# Altium PCB waffling80-MX-south.PcbDoc (part 3 of 3)
Units mm, origin at the board's own origin, x right, y up, seen from the top; angles counter-clockwise.
Board outline 343.71 x 126.52 mm, 2 copper layers (Component Side, Bottom Layer), stack 1.171 mm thick; 250 components, 145 nets, 1072 pads, 177 vias.
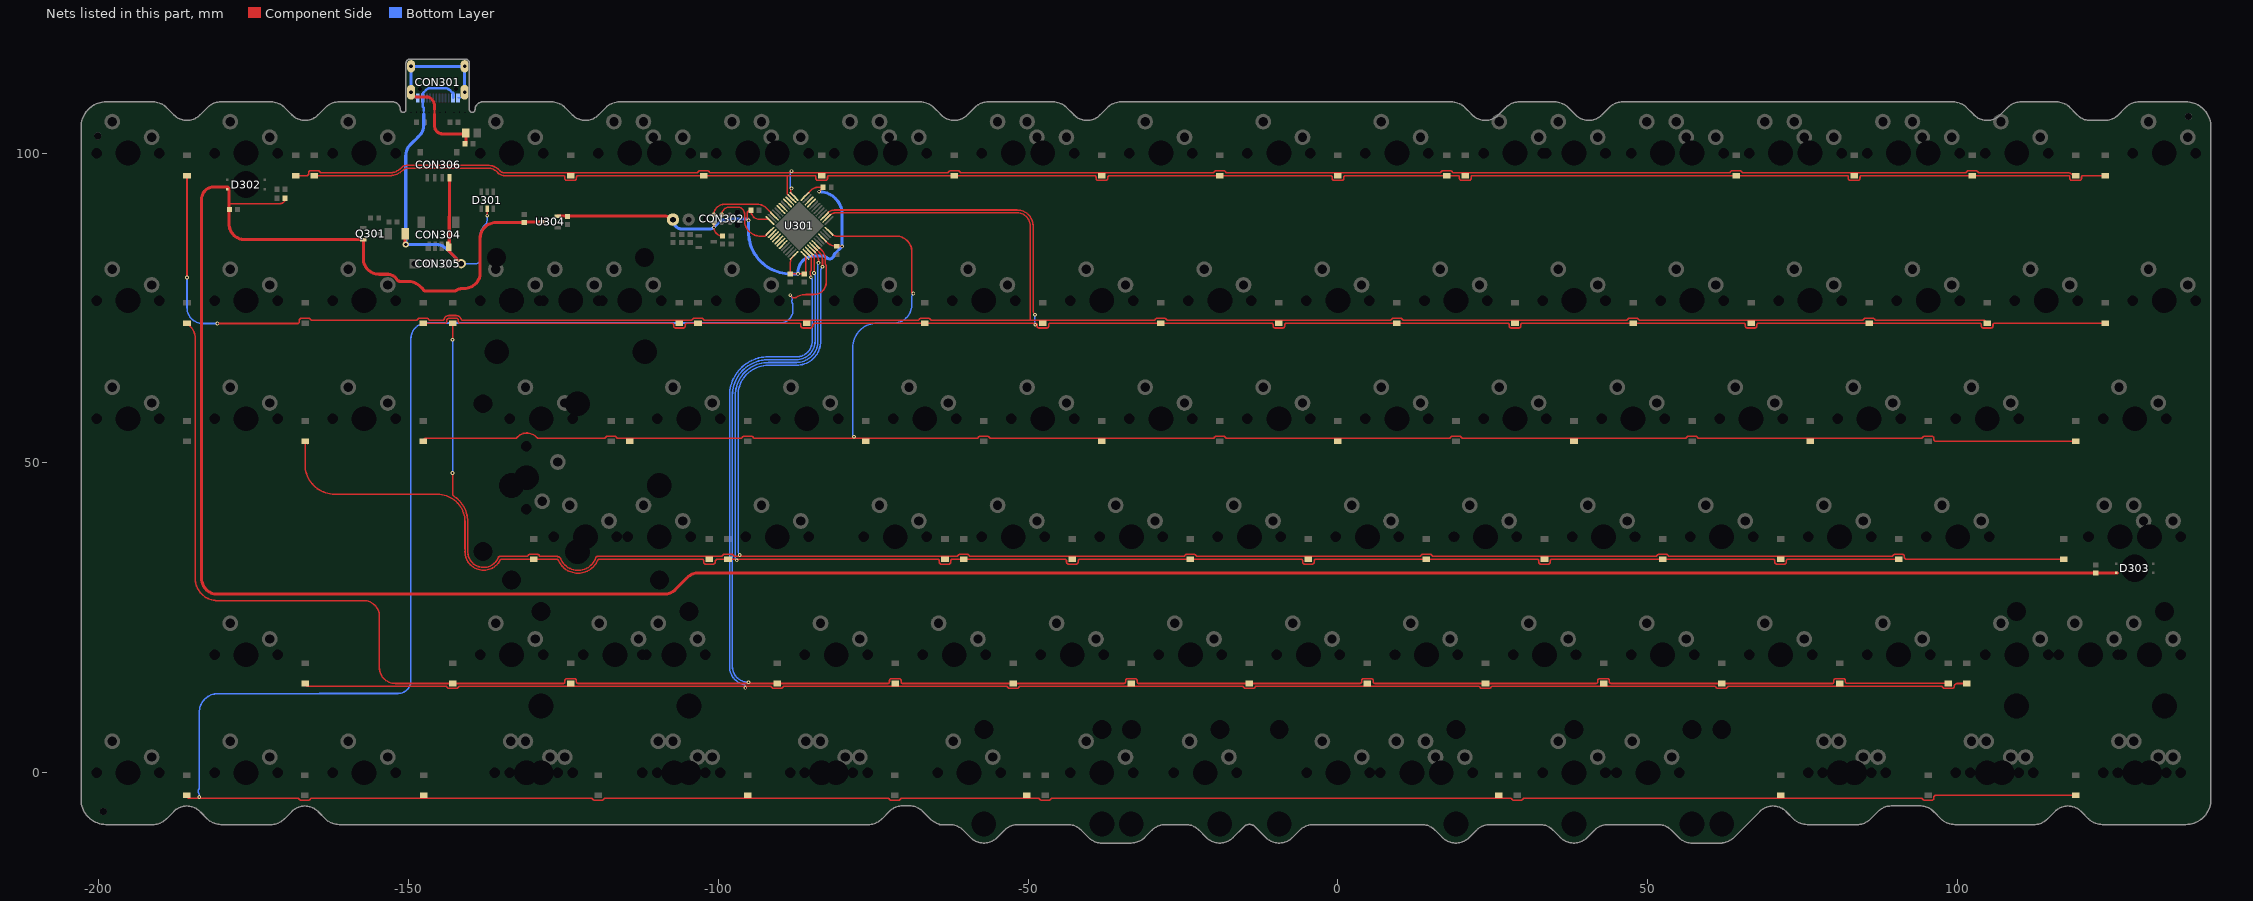
[diagram p3: the nets of this part, all layers, seen from the top]

## Via types
v1: diameter 0.6, hole 0.3, Component Side to Bottom Layer, tented both sides, 149 vias
v2: diameter 0.6, hole 0.3, Component Side to Bottom Layer, tented bottom, 25 vias
v3: diameter 1, hole 0.5, Component Side to Bottom Layer, tented both sides, 3 vias

## Nets (pads, with @x,y where several pads share a name; then routed paths per layer and width w, separated by ;. In a path a pad name is that pad's centre, name@x,y a point inside that pad or via, vN(x,y) a via of type N, cw(c..) or ccw(c..) an arc to the next point about the centre after c; other vN are vias at no path point) (continued)
PA2: D234.2 D236.2 D238.2 D240.2 D242.2 D244.2 D246.2 D248.2 U301.12 | length 321.3
  Component Side w0.254: D248.2@-147.637,53.515 cw(c-147.173,53.515) -147.173,53.979 -132.732,53.979 ccw(c-132.733,54.233) -132.538,54.071 cw(c-130.892,52.71) -129.238,54.061 ccw(c-129.042,54.223) -129.043,53.969 -118.432,53.969 ccw(c-118.434,54.223) -118.205,54.112 cw(c-117.911,53.97) -117.911,54.297 -116.69,54.297 cw(c-116.69,53.97) -116.396,54.112 ccw(c-116.167,54.223) -116.169,53.969 -109.021,53.969 ccw(c-109.021,54.223) -108.966,53.975 -99.441,53.975 cw(c-99.441,53.086) -99.349,53.97 ccw(c-99.324,54.223) -99.325,53.969 -96.382,53.969 ccw(c-96.384,54.223) -96.155,54.112 cw(c-95.861,53.97) -95.861,54.297 -94.64,54.297 cw(c-94.64,53.97) -94.346,54.112 ccw(c-94.117,54.223) -94.119,53.969 -58.282,53.969 ccw(c-58.284,54.223) -58.055,54.112 cw(c-57.761,53.97) -57.761,54.297 -56.54,54.297 cw(c-56.54,53.97) -56.246,54.112 ccw(c-56.017,54.223) -56.019,53.969 -20.182,53.969 ccw(c-20.184,54.223) -19.955,54.112 cw(c-19.661,53.97) -19.661,54.297 -18.44,54.297 cw(c-18.44,53.97) -18.146,54.111 ccw(c-17.917,54.223) -17.919,53.969 18.113,53.969 ; U301.12@-81.962,87.219 -81.701,86.958 ccw(c-80.868,87.791) -80.868,86.613 -71.301,86.613 cw(c-71.301,84.073) -68.761,84.073 -68.761,77.608 ccw(c-68.507,77.609) v1(-68.522,77.355) ; 18.112,53.97 cw(c18.439,53.97) 18.439,54.297 19.66,54.297 cw(c19.66,53.97) 19.954,54.112 ccw(c20.183,54.223) 20.181,53.969 56.018,53.969 ccw(c56.016,54.223) 56.245,54.112 cw(c56.539,53.97) 56.539,54.297 57.76,54.297 cw(c57.76,53.97) 58.054,54.112 ccw(c58.283,54.223) 58.281,53.969 94.118,53.969 ccw(c94.116,54.223) 94.345,54.112 cw(c94.639,53.97) 94.639,54.297 95.86,54.297 cw(c95.86,53.97) 96.154,54.111 cw(c95.86,53.97) 96.187,53.97 96.187,53.769 ccw(c96.441,53.769) 96.441,53.515 D234.2@119.062,53.515
  Bottom Layer w0.254: v1(-78.105,54.229) cw(c-77.668,54.666) -78.286,54.666 -78.286,68.671 cw(c-74.392,68.671) -74.392,72.565 -71.755,72.565 ccw(c-71.755,75.559) -68.831,74.916 ccw(c-71.755,75.559) -68.761,75.559 -68.761,76.778 cw(c-67.944,76.778) v1(-68.522,77.355)
PA4: D216.2 D218.2 D220.2 D222.2 D224.2 D226.2 D228.2 D230.2 U301.14 | length 366.1
  Component Side w0.254: v1(-185.737,79.947) D216.2@-185.737,96.377 ; v1(-180.838,72.507) -167.879,72.507 ccw(c-167.879,72.761) -167.625,72.761 -167.625,73.02 cw(c-167.298,73.02) -167.584,73.178 cw(c-167.298,73.02) -167.298,73.347 -166.077,73.347 cw(c-166.077,73.02) -165.783,73.162 ccw(c-165.554,73.273) -165.556,73.019 -163.907,73.019 ccw(c-163.907,73.273) -163.905,73.019 -148.829,73.019 cw(c-148.829,72.311) -148.785,73.018 ccw(c-148.771,73.271) -148.543,73.161 cw(c-148.248,73.02) -148.248,73.347 -147.637,73.347 -147.027,73.347 cw(c-147.027,73.02) -146.943,73.336 cw(c-147.027,73.02) -146.733,73.162 ccw(c-146.504,73.273) -146.506,73.019 -144.488,73.019 ccw(c-144.489,73.273) -144.243,73.21 cw(c-143.486,73.02) -143.486,73.801 -142.265,73.801 cw(c-142.265,73.02) -141.509,73.214 ccw(c-141.263,73.279) -141.265,73.025 -135.636,73.025 -135.636,73.019 -104.407,73.019 ccw(c-104.409,73.273) -104.18,73.162 cw(c-103.886,73.02) -103.886,73.347 -102.665,73.347 cw(c-102.665,73.02) -102.371,73.162 ccw(c-102.142,73.273) -102.144,73.019 -67.807,73.019 ccw(c-67.809,73.273) -67.58,73.162 cw(c-67.286,73.02) -67.286,73.347 -66.065,73.347 cw(c-66.065,73.02) -65.774,73.168 ccw(c-65.548,73.285) -65.549,73.031 -51.402,73.031 cw(c-51.402,72.777) -51.325,73.019 -49.657,73.019 ; U301.14@-82.316,89.658 -81.96,90.014 cw(c-81.101,89.155) -81.337,90.347 cw(c-81.122,89.364) -81.127,90.37 -54.255,90.37 -52.236,90.37 -51.743,90.37 cw(c-51.743,88.284) -49.657,88.284 -49.657,73.019 ; D218.2@104.774,72.565 104.321,73.019 86.856,73.019 cw(c86.858,73.273) 86.629,73.162 ccw(c86.335,73.02) 86.335,73.347 85.114,73.347 ccw(c85.114,73.02) 84.82,73.162 cw(c84.591,73.273) 84.593,73.019 48.756,73.019 cw(c48.758,73.273) 48.529,73.162 ccw(c48.235,73.02) 48.235,73.347 47.014,73.347 ccw(c47.014,73.02) 46.72,73.162 cw(c46.491,73.273) 46.493,73.019 10.656,73.019 cw(c10.658,73.273) 10.429,73.162 ccw(c10.135,73.02) 10.135,73.347 8.914,73.347 ccw(c8.914,73.02) 8.62,73.162 cw(c8.391,73.273) 8.393,73.019 -27.444,73.019 cw(c-27.442,73.273) -27.671,73.162 ccw(c-27.965,73.02) -27.965,73.347 -29.186,73.347 ccw(c-29.186,73.02) -29.48,73.162 cw(c-29.709,73.273) -29.707,73.019 -49.657,73.019
  Bottom Layer w0.254: v1(-185.737,79.947) -185.737,75.047 ccw(c-183.197,75.047) -183.197,72.507 v1(-180.838,72.507)
PA5: D217.2 D219.2 D221.2 D223.2 D225.2 D227.2 D229.2 D231.2 U301.15 | length 331.1
  Component Side w0.254: D231.2@-147.637,72.565 -144.067,72.565 ccw(c-144.067,72.819) -143.813,72.819 -143.813,73.02 cw(c-143.486,73.02) -143.486,73.347 -142.265,73.347 cw(c-142.265,73.02) -141.938,73.02 -141.938,72.819 ccw(c-141.684,72.819) -141.684,72.565 -107.467,72.565 cw(c-107.467,72.311) -107.213,72.311 -107.213,72.11 ccw(c-106.886,72.11) -106.886,71.783 -105.665,71.783 ccw(c-105.665,72.11) -105.338,72.11 -105.338,72.311 cw(c-105.084,72.311) -105.084,72.565 D229.2@-103.276,72.565 -86.917,72.565 cw(c-86.917,72.311) -86.663,72.311 -86.663,72.11 ccw(c-86.336,72.11) -86.336,71.783 -85.115,71.783 ccw(c-85.115,72.11) -84.795,72.044 ccw(c-85.115,72.11) -84.789,72.107 cw(c-84.331,72.107) -84.331,72.565 D227.2@-66.676,72.565 -48.817,72.565 cw(c-48.817,72.311) -48.563,72.311 -48.563,72.11 ccw(c-48.236,72.11) -48.236,71.783 -47.015,71.783 ccw(c-47.015,72.11) -46.688,72.11 -46.688,72.311 cw(c-46.434,72.311) -46.434,72.565 D225.2@-28.576,72.565 -10.717,72.565 cw(c-10.717,72.311) -10.463,72.311 -10.463,72.11 ccw(c-10.136,72.11) -10.136,71.783 -8.915,71.783 ccw(c-8.915,72.11) -8.596,72.042 ccw(c-8.915,72.11) -8.588,72.11 -8.588,72.311 cw(c-8.334,72.311) -8.334,72.565 D223.2@9.524,72.565 27.383,72.565 cw(c27.383,72.311) 27.637,72.311 27.637,72.11 ccw(c27.964,72.11) 27.964,71.783 29.185,71.783 ccw(c29.185,72.11) 29.512,72.11 29.512,72.311 cw(c29.766,72.311) 29.766,72.565 D221.2@47.624,72.565 65.483,72.565 cw(c65.483,72.311) 65.737,72.311 65.737,72.11 ccw(c66.064,72.11) 66.064,71.783 67.285,71.783 ccw(c67.285,72.11) 67.582,71.974 ccw(c67.285,72.11) 67.612,72.11 67.612,72.311 cw(c67.866,72.311) 67.866,72.565 D219.2@85.724,72.565 103.583,72.565 cw(c103.583,72.311) 103.837,72.311 103.837,72.11 ccw(c104.164,72.11) 104.164,71.783 105.385,71.783 ccw(c105.385,72.11) 105.619,71.882 ccw(c105.385,72.11) 105.712,72.11 105.712,72.311 cw(c105.966,72.311) 105.966,72.565 D217.2@123.824,72.565 ; U301.15@-82.669,90.012 -82.272,90.409 cw(c-81.271,89.409) -81.271,90.824 -51.743,90.824 cw(c-51.743,88.284) -49.203,88.284 -49.203,74.658 ccw(c-48.151,74.658) v1(-48.895,73.914)
  Bottom Layer w0.254: v1(-48.895,73.914) -48.895,72.411 ccw(c-48.766,72.411) v1(-48.857,72.32)
PA9: U301.30
PA10: U301.31
PA15: U301.38
PB3: U301.39
PB4: U301.40
PB5: U301.41
PB6: U301.42
PB7: U301.43
PB10: U301.21
PB11: U301.22
PB12: D203.2 D205.2 D207.2 D209.2 D211.2 D213.2 D215.2 D290.2 U301.25 | length 294.3
  Component Side w0.254: D215.2@-168.188,96.377 -166.379,96.377 ccw(c-166.379,96.631) -166.125,96.631 -166.125,96.832 cw(c-165.798,96.832) -165.798,97.159 -164.578,97.159 cw(c-164.578,96.832) -164.283,96.974 ccw(c-164.055,97.085) -164.056,96.831 -153.014,96.831 ccw(c-153.014,99.371) -151.218,97.575 -151.13,97.663 ; -151.13,97.663 cw(c-150.21,96.743) -150.21,98.044 -137.196,98.044 cw(c-137.196,95.504) -135.4,97.3 -135.255,97.155 ccw(c-134.473,97.937) -134.473,96.831 -103.494,96.831 ccw(c-103.495,97.085) -103.267,96.974 cw(c-102.972,96.832) -102.972,97.159 -101.752,97.159 cw(c-101.752,96.832) -101.457,96.974 ccw(c-101.229,97.085) -101.23,96.831 -63.045,96.831 ccw(c-63.047,97.085) -62.818,96.974 cw(c-62.524,96.832) -62.524,97.159 -61.303,97.159 cw(c-61.303,96.832) -61.009,96.974 ccw(c-60.78,97.085) -60.782,96.831 -20.182,96.831 ccw(c-20.184,97.085) -19.955,96.974 cw(c-19.661,96.832) -19.661,97.159 -18.44,97.159 cw(c-18.44,96.832) -18.146,96.974 ccw(c-17.917,97.085) -17.919,96.831 16.417,96.831 ccw(c16.416,97.085) 16.644,96.974 cw(c16.939,96.832) 16.939,97.159 18.159,97.159 cw(c18.159,96.832) 18.431,97.013 cw(c18.159,96.832) 18.454,96.974 ccw(c18.682,97.085) 18.681,96.831 63.13,96.831 ccw(c63.129,97.085) 63.357,96.974 cw(c63.652,96.832) 63.652,97.159 64.872,97.159 cw(c64.872,96.832) 65.167,96.974 ccw(c65.395,97.085) 65.394,96.831 101.23,96.831 ccw(c101.229,97.085) 101.457,96.974 cw(c101.752,96.832) 101.752,97.159 102.972,97.159 cw(c102.972,96.832) 103.267,96.974 ccw(c103.495,97.085) 103.494,96.831 117.871,96.831 cw(c117.871,96.123) 118.473,96.496 ccw(c118.688,96.631) 118.504,96.456 118.579,96.456 D290.2@119.062,96.377 ; v1(-88.192,94.317) -88.192,94.224 -88.335,94.081 -88.335,93.592 U301.25@-87.937,93.194
  Bottom Layer w0.254: v1@-88.392,94.438 -88.392,96.619 cw(c-87.711,96.619) v1(-88.192,97.101)
PB13: D201.2 D202.2 D204.2 D206.2 D208.2 D210.2 D212.2 D214.2 U301.26 | length 300.9
  Component Side w0.254: D214.2@-165.188,96.377 -153.014,96.377 ccw(c-153.014,99.371) -150.896,97.255 -150.811,97.34 cw(c-150.21,96.743) -150.21,97.59 -137.196,97.59 cw(c-137.196,95.504) -135.718,96.976 -135.579,96.837 ccw(c-134.473,97.937) -134.473,96.377 -125.017,96.377 cw(c-125.017,96.123) -124.763,96.123 -124.763,95.922 ccw(c-124.436,95.922) -124.436,95.595 -123.215,95.595 ccw(c-123.215,95.922) -122.932,95.759 ccw(c-123.215,95.922) -122.888,95.922 -122.888,96.123 cw(c-122.634,96.123) -122.634,96.377 D212.2@-102.362,96.377 -88.876,96.377 ; U301.26@-88.291,92.84 -88.291,92.853 -88.9,93.462 -88.9,96.353 -88.876,96.377 ; D201.2@123.824,96.377 120.254,96.377 ccw(c120.254,96.123) 120,96.123 120,95.922 cw(c119.673,95.922) 119.999,95.915 cw(c119.673,95.922) 119.673,95.595 118.452,95.595 cw(c118.452,95.922) 118.125,95.922 118.125,96.123 ccw(c117.871,96.123) 117.871,96.377 D202.2@102.362,96.377 84.378,96.377 ccw(c84.503,96.156) 84.249,96.156 84.249,95.922 cw(c83.922,95.922) 83.922,95.595 82.702,95.595 cw(c82.702,95.922) 82.375,95.922 82.375,96.123 ccw(c82.121,96.123) 82.121,96.377 D204.2@64.262,96.377 21.74,96.377 ccw(c21.74,96.123) 21.486,96.123 21.486,95.922 cw(c21.159,95.922) 21.159,95.595 19.939,95.595 cw(c19.939,95.922) 19.612,95.922 19.612,96.123 ccw(c19.358,96.123) 19.358,96.377 D206.2@17.549,96.377 1.529,96.377 ccw(c1.529,93.837) 1.153,96.349 ccw(c1.191,96.098) 0.937,96.099 0.937,95.922 cw(c0.61,95.922) 0.61,95.595 -0.611,95.595 cw(c-0.611,95.922) -0.938,95.922 -0.938,96.129 ccw(c-1.192,96.129) -1.134,96.377 D208.2@-19.051,96.377 -36.473,96.377 ccw(c-36.473,93.837) -36.792,96.357 ccw(c-36.473,93.837) -36.959,96.33 ccw(c-36.909,96.081) -37.163,96.082 -37.163,95.922 cw(c-37.49,95.922) -37.164,95.915 cw(c-37.49,95.922) -37.49,95.595 -38.711,95.595 cw(c-38.711,95.922) -39.038,95.922 -39.038,96.123 ccw(c-39.292,96.123) -39.292,96.377 D210.2@-61.914,96.377 -82.121,96.377 ccw(c-82.121,96.123) -82.375,96.123 -82.375,95.922 cw(c-82.702,95.922) -82.702,95.595 -83.922,95.595 cw(c-83.922,95.922) -84.249,95.922 -84.249,96.123 ccw(c-84.503,96.123) -84.503,96.377 -88.876,96.377
PB14: U301.27
PB15: U301.28
PC13: D265.2 D267.2 D269.2 D271.2 D273.2 D275.2 D277.2 D279.2 U301.2 | length 351.6
  Component Side w0.254: D279.2@-166.688,14.415 ccw(c-166.234,14.415) -166.604,14.153 ccw(c-166.234,14.415) -166.234,13.961 -144.007,13.961 cw(c-144.009,13.707) -143.78,13.818 ccw(c-143.486,13.96) -143.738,13.752 ccw(c-143.486,13.96) -143.486,13.633 -142.265,13.633 ccw(c-142.265,13.96) -141.986,13.79 cw(c-141.77,13.657) -141.95,13.836 -141.898,13.888 cw(c-141.719,13.708) -141.738,13.961 ; -141.737,13.961 -91.62,13.961 cw(c-91.621,13.707) -91.393,13.818 ccw(c-91.098,13.96) -91.098,13.633 -89.878,13.633 ccw(c-89.878,13.96) -89.583,13.819 cw(c-89.355,13.707) -89.356,13.961 -53.52,13.961 cw(c-53.521,13.707) -53.292,13.818 ccw(c-52.998,13.96) -52.998,13.633 -51.778,13.633 ccw(c-51.778,13.96) -51.483,13.818 cw(c-51.255,13.707) -51.256,13.961 -15.42,13.961 cw(c-15.421,13.707) -15.192,13.818 ccw(c-14.898,13.96) -14.898,13.633 -13.678,13.633 ccw(c-13.678,13.96) -13.383,13.819 cw(c-13.155,13.707) -13.156,13.961 22.68,13.961 cw(c22.679,13.707) 22.908,13.818 ccw(c23.202,13.96) 23.202,13.633 24.422,13.633 ccw(c24.422,13.96) 24.717,13.818 cw(c24.945,13.707) 24.944,13.961 60.78,13.961 cw(c60.779,13.707) 61.008,13.818 ccw(c61.302,13.96) 61.302,13.633 62.522,13.633 ccw(c62.522,13.96) 62.817,13.818 cw(c63.045,13.707) 63.044,13.961 97.383,13.961 cw(c97.381,13.707) 97.61,13.818 ccw(c97.904,13.96) 97.904,13.633 99.125,13.633 ccw(c99.125,13.96) 99.451,13.958 cw(c99.705,13.954) 99.452,13.969 cw(c99.705,13.954) 99.454,13.988 cw(c99.945,13.919) 99.945,14.415 D265.2@101.514,14.415 ; U301.2@-85.498,83.683 -85.481,83.666 -85.487,83.66 ccw(c-85.259,83.772) -85.44,83.593 -85.107,83.26 cw(c-85.444,82.923) -84.967,82.923 cw(c-85.444,82.923) -84.969,82.886 ccw(c-84.716,82.867) -84.967,82.834 -84.967,81.244 cw(c-85.221,81.245) -85.02,81.091 cw(c-85.221,81.245) -85.029,81.08 ccw(c-84.556,80.669) -85.182,80.669 ccw(c-84.556,80.669) -85.094,80.347 cw(c-85.313,80.218) -85.059,80.219 v1(-85.059,79.979)
  Bottom Layer w0.254: v1(-95.631,13.716) -95.631,13.991 ccw(c-95.885,13.975) -95.829,14.223 cw(c-95.177,17.145) -95.874,14.233 cw(c-95.177,17.145) -97.194,14.933 cw(c-95.177,17.145) -98.171,17.145 -98.171,60.911 cw(c-91.953,60.911) -97.36,63.981 cw(c-91.953,60.911) -96.242,65.413 ccw(c-96.418,65.596) -96.227,65.429 cw(c-95.883,65.132) -96.206,65.452 cw(c-95.704,64.952) -96.134,65.514 ccw(c-96.289,65.715) -96.12,65.526 cw(c-91.953,60.911) -95.217,66.204 ; -95.189,66.22 cw(c-91.953,60.911) -94.282,66.676 cw(c-91.953,60.911) -93.69,66.881 cw(c-91.953,60.911) -93.627,66.899 ccw(c-93.697,67.144) -93.606,66.906 -93.584,66.915 cw(c-93.325,66.256) -93.435,66.955 cw(c-93.363,66.507) -93.406,66.959 ccw(c-93.431,67.212) -93.375,66.964 cw(c-91.953,60.911) -92.361,67.116 ccw(c-92.379,67.369) -92.351,67.116 -92.287,67.124 cw(c-92.203,66.421) -92.205,67.129 ; -92.204,67.129 -87.377,67.129 ccw(c-87.377,69.669) -84.837,69.669 -84.837,79.442 ccw(c-85.595,79.442) v1(-85.059,79.979)
PC14: D233.2 D266.2 D268.2 D270.2 D272.2 D274.2 D276.2 D278.2 U301.3 | length 425
  Component Side w0.254: D233.2@-185.737,72.565 -185.163,71.99 cw(c-186.959,70.194) -184.419,70.194 -184.419,31.369 ccw(c-180.848,31.369) -180.848,27.798 -157.226,27.798 cw(c-157.226,25.258) -154.686,25.258 -154.686,16.955 ccw(c-152.146,16.955) -152.146,14.415 D278.2@-142.876,14.415 -125.017,14.415 ccw(c-125.017,14.669) -124.763,14.669 -124.763,14.87 cw(c-124.436,14.87) -124.436,15.197 -123.215,15.197 cw(c-123.215,14.87) -122.888,14.87 -122.888,14.669 ccw(c-122.634,14.669) -122.634,14.415 D276.2@-90.488,14.415 -72.629,14.415 ccw(c-72.629,14.669) -72.375,14.669 -72.375,14.87 cw(c-72.048,14.87) -72.048,15.197 -70.828,15.197 cw(c-70.828,14.87) -70.501,14.87 -70.501,14.669 ccw(c-70.247,14.669) -70.247,14.415 D274.2@-52.388,14.415 -34.529,14.415 ccw(c-34.529,14.669) -34.275,14.669 -34.275,14.87 cw(c-33.948,14.87) -33.948,15.197 -32.728,15.197 cw(c-32.728,14.87) -32.401,14.87 -32.401,14.669 ccw(c-32.147,14.669) -32.147,14.415 D272.2@-14.288,14.415 3.571,14.415 ccw(c3.571,14.669) 3.825,14.669 3.825,14.87 cw(c4.152,14.87) 3.825,14.873 cw(c4.152,14.87) 4.152,15.197 5.372,15.197 cw(c5.372,14.87) 5.699,14.87 5.699,14.669 ccw(c5.953,14.669) 5.953,14.415 D270.2@23.812,14.415 41.671,14.415 ccw(c41.671,14.669) 41.925,14.669 41.925,14.87 cw(c42.252,14.87) 42.252,15.197 43.472,15.197 cw(c43.472,14.87) 43.799,14.87 43.799,14.669 ccw(c44.053,14.669) 44.053,14.415 D268.2@61.912,14.415 79.771,14.415 ccw(c79.771,14.669) 80.025,14.669 80.025,14.87 cw(c80.352,14.87) 80.352,15.197 81.572,15.197 cw(c81.572,14.87) 81.899,14.87 81.899,14.699 ccw(c82.153,14.699) 82.153,14.445 98.031,14.445 D266.2@98.514,14.415 ; U301.3@-85.144,84.037 -84.816,83.709 cw(c-85.547,82.978) -84.727,83.608 cw(c-85.547,82.978) -84.513,82.978 -84.513,80.711 v1(-84.556,80.669)
  Bottom Layer w0.254: -96.015,65 cw(c-91.953,60.911) -95.998,65.017 ; -95.883,65.132 cw(c-95.704,64.952) -95.842,65.165 ; v1(-95.123,14.605) -95.177,14.605 cw(c-95.177,17.145) -97.717,17.145 -97.717,60.911 cw(c-91.953,60.911) -96.334,64.657 cw(c-91.953,60.911) -95.998,65.017 ; -93.364,66.507 ccw(c-93.325,66.256) -93.417,66.493 -93.461,66.476 cw(c-93.553,66.712) -93.485,66.468 ccw(c-91.953,60.911) -93.567,66.444 ccw(c-91.953,60.911) -93.858,66.351 ccw(c-91.953,60.911) -95.842,65.165 ; -93.363,66.507 ccw(c-93.364,66.761) -93.306,66.514 cw(c-91.953,60.911) -92.792,66.614 cw(c-91.953,60.911) -92.321,66.663 ccw(c-92.338,66.917) -92.309,66.664 -92.232,66.673 cw(c-92.203,66.421) -92.204,66.675 -87.377,66.675 ccw(c-87.377,69.669) -84.383,69.669 -84.383,77.936 ; v1(-84.556,80.669) cw(c-84.973,80.251) -84.383,80.251 -84.383,77.937 ; -95.998,65.018 cw(c-91.953,60.911) -95.842,65.165
PC15: D249.2 D252.2 D254.2 D256.2 D258.2 D260.2 D262.2 D296.2 U301.4 | length 343.6
  Component Side w0.254: D249.2@-166.283,53.111 -166.335,53.187 D249.2@-166.688,53.515 -166.688,49.742 ccw(c-161.903,49.742) -161.903,44.958 -145.328,44.958 cw(c-145.328,40.511) -140.881,40.511 -140.881,36.15 ccw(c-140.427,36.147) -140.871,36.057 cw(c-141.12,36.007) -140.868,35.982 ccw(c-137.877,35.692) -140.554,34.327 ; -140.042,33.608 cw(c-137.877,35.692) -140.554,34.327 ; -122.532,32.219 cw(c-122.637,35.692) -123.259,32.273 ; U301.4@-84.791,84.39 U301.4@-84.359,83.959 ; U301.4@-84.359,83.959 cw(c-85.662,82.657) -83.82,82.657 ; D252.2@90.487,34.465 72.628,34.465 ccw(c72.628,34.211) 72.374,34.211 72.374,34.01 cw(c72.047,34.01) 72.047,33.683 70.827,33.683 cw(c70.827,34.01) 70.5,34.01 70.5,34.211 ccw(c70.246,34.211) 70.246,34.465 D254.2@52.387,34.465 34.528,34.465 ccw(c34.528,34.211) 34.274,34.211 34.274,34.01 cw(c33.947,34.01) 33.947,33.683 32.727,33.683 cw(c32.727,34.01) 32.4,34.01 32.4,34.211 ccw(c32.146,34.211) 32.146,34.465 D256.2@14.287,34.465 -3.572,34.465 ccw(c-3.572,34.211) -3.826,34.211 -3.826,34.01 cw(c-4.153,34.01) -4.153,33.683 -5.373,33.683 cw(c-5.373,34.01) -5.7,34.01 -5.7,34.211 ccw(c-5.954,34.211) -5.954,34.465 D258.2@-23.813,34.465 -41.672,34.465 ccw(c-41.672,34.211) -41.926,34.211 -41.926,34.01 cw(c-42.253,34.01) -42.253,33.683 -43.473,33.683 cw(c-43.473,34.01) -43.8,34.01 -43.8,34.211 ccw(c-44.054,34.211) -44.054,34.465 D260.2@-60.413,34.465 -62.222,34.465 ccw(c-62.222,34.211) -62.476,34.211 -62.476,34.01 cw(c-62.803,34.01) -62.803,33.683 -64.023,33.683 cw(c-64.023,34.01) -64.35,34.01 -64.35,34.211 ccw(c-64.604,34.211) -64.604,34.465 -70.866,34.465 cw(c-70.866,34.919) -70.926,34.469 ccw(c-70.958,34.217) -70.957,34.471 -77.638,34.471 -77.638,34.465 D262.2@-98.431,34.465 -100.167,34.465 ccw(c-100.167,34.211) -100.346,34.391 -100.42,34.317 ccw(c-100.239,34.138) -100.493,34.138 -100.493,34.01 cw(c-100.82,34.01) -100.82,33.683 -102.041,33.683 cw(c-102.041,34.01) -102.368,34.01 -102.368,34.211 ccw(c-102.622,34.211) -102.622,34.465 -119.216,34.465 ccw(c-119.214,34.211) -119.447,34.313 cw(c-122.637,35.692) -121.994,32.277 cw(c-122.637,35.692) -123.259,32.273 ; -140.554,34.327 ccw(c-137.877,35.692) -135.199,34.328 cw(c-134.974,34.211) -135.194,34.338 cw(c-134.974,34.211) -134.975,34.465 D296.2@-129.789,34.465 -126.058,34.465 cw(c-126.059,34.211) -125.826,34.312 ccw(c-122.637,35.692) -125.519,33.751 ccw(c-122.637,35.692) -124.774,32.952 ccw(c-122.637,35.692) -123.259,32.273
  Bottom Layer w0.254: v1(-97.028,34.29) cw(c-96.461,34.857) -97.263,34.857 -97.263,60.911 cw(c-91.953,60.911) -96.233,64.054 cw(c-91.953,60.911) -95.339,65.002 cw(c-91.953,60.911) -91.953,66.221 -87.377,66.221 ccw(c-87.377,69.669) -84.348,68.021 ccw(c-87.377,69.669) -83.929,69.669 -83.929,80.962 ; -83.928,80.977 ccw(c-82.486,80.962) -83.929,80.962 ; v1(-83.82,82.296) -83.929,82.187 -83.929,80.962
PF0: D251.2 D253.2 D255.2 D257.2 D259.2 D261.2 D263.2 D264.2 U301.5 | length 361.6
  Component Side w0.254: v1(-142.882,69.889) -142.882,72.559 D264.2@-142.876,72.565 ; v1@-142.876,48.398 -142.876,44.957 ccw(c-142.622,44.957) -142.802,44.777 -142.638,44.613 ccw(c-142.459,44.794) -142.602,44.584 cw(c-145.328,40.511) -140.427,40.511 -140.427,36.17 ccw(c-140.173,36.171) -140.425,36.144 ccw(c-140.173,36.171) -140.423,36.129 cw(c-141.12,36.007) -140.415,35.942 ccw(c-137.877,35.692) -140.427,35.769 ccw(c-137.877,35.692) -140.427,35.765 ccw(c-137.877,35.692) -139,33.401 ; -138.998,33.401 ccw(c-137.877,35.692) -138.996,33.4 ccw(c-137.877,35.692) -137.986,33.143 ; -137.694,33.148 cw(c-137.877,35.692) -137.986,33.143 ; -125.411,34.495 ccw(c-126.059,34.211) -126.058,34.919 -128.657,34.919 cw(c-128.655,35.173) -128.884,35.061 ccw(c-129.178,34.92) -129.178,35.247 -130.399,35.247 ccw(c-130.399,34.92) -130.693,35.062 cw(c-130.922,35.173) -130.92,34.919 -135.248,34.919 ccw(c-135.248,34.593) -135.337,34.907 ccw(c-135.267,34.662) -135.503,34.757 cw(c-137.877,35.692) -135.549,34.649 cw(c-137.877,35.692) -135.575,34.593 cw(c-137.877,35.692) -137.325,33.201 cw(c-137.877,35.692) -137.986,33.143 ; -125.4,34.472 ccw(c-122.637,35.692) -119.768,34.746 cw(c-119.527,34.665) -119.528,34.919 -99.562,34.919 ccw(c-99.564,35.173) -99.335,35.062 cw(c-99.041,34.92) -99.041,35.247 -97.821,35.247 cw(c-97.821,34.92) -97.526,35.062 ccw(c-97.297,35.173) -97.299,34.919 -79.064,34.919 ccw(c-79.065,35.173) -79.033,34.921 cw(c-78.973,34.471) -78.973,34.925 -70.866,34.925 -70.866,34.919 -61.545,34.919 ccw(c-61.546,35.173) -61.318,35.062 cw(c-61.023,34.92) -61.163,35.216 cw(c-61.023,34.92) -61.023,35.247 -59.803,35.247 cw(c-59.803,34.92) -59.508,35.062 ccw(c-59.28,35.173) -59.281,34.919 -24.945,34.919 ccw(c-24.946,35.173) -24.718,35.062 cw(c-24.423,34.92) -24.423,35.247 -23.203,35.247 cw(c-23.203,34.92) -22.908,35.062 ccw(c-22.68,35.173) -22.681,34.919 13.155,34.919 ccw(c13.154,35.173) 13.382,35.062 cw(c13.677,34.92) 13.677,35.247 14.897,35.247 cw(c14.897,34.92) 15.192,35.061 ccw(c15.42,35.173) 15.419,34.919 51.255,34.919 ccw(c51.254,35.173) 51.482,35.062 cw(c51.777,34.92) 51.777,35.247 52.997,35.247 cw(c52.997,34.92) 53.292,35.062 ccw(c53.52,35.173) 53.519,34.919 89.355,34.919 ccw(c89.354,35.173) 89.582,35.062 cw(c89.877,34.92) 89.877,35.247 91.097,35.247 cw(c91.097,34.92) 91.424,34.92 91.424,34.758 ccw(c91.717,34.758) 91.717,34.465 D251.2@117.099,34.465 ; U301.5@-84.437,84.744 -83.667,83.974 ; -83.666,83.973 cw(c-84.829,82.811) -83.185,82.811 v1(-83.185,81.661)
  Bottom Layer w0.254: v1(-142.888,48.372) -142.885,48.375 -142.885,69.886 v1(-142.882,69.889) ; v1(-96.536,35.14) cw(c-95.875,35.8) -96.809,35.8 -96.809,60.911 cw(c-91.953,60.911) -91.953,65.767 -87.377,65.767 ccw(c-87.377,69.669) -84.056,67.62 ccw(c-87.377,69.669) -83.475,69.669 -83.475,80.962 cw(c-82.486,80.962) v1(-83.185,81.661)
PF1: D280.2 D282.2 D283.2 D285.2 D287.2 D289.2 D293.2 U301.6 | length 493.5
  Component Side w0.254: D289.2@-185.796,-3.635 ccw(c-185.342,-3.635) -185.342,-4.089 -167.877,-4.089 cw(c-167.879,-4.343) -167.65,-4.232 ccw(c-167.356,-4.09) -167.356,-4.417 -166.135,-4.417 ccw(c-166.135,-4.09) -165.841,-4.232 cw(c-165.612,-4.343) -165.614,-4.089 -146.665,-4.089 ccw(c-146.665,-3.835) -146.647,-4.088 -146.529,-4.08 cw(c-146.511,-4.334) -146.476,-4.082 ccw(c-146.377,-3.381) -146.377,-4.089 -120.506,-4.089 cw(c-120.508,-4.343) -120.279,-4.232 ccw(c-119.985,-4.09) -119.985,-4.417 -118.764,-4.417 ccw(c-118.764,-4.09) -118.47,-4.232 cw(c-118.241,-4.343) -118.243,-4.089 -72.627,-4.089 cw(c-72.629,-4.343) -72.4,-4.232 ccw(c-72.106,-4.09) -72.365,-4.289 ccw(c-72.106,-4.09) -72.106,-4.417 -70.885,-4.417 ccw(c-70.885,-4.09) -70.591,-4.232 cw(c-70.362,-4.343) -70.364,-4.089 -48.373,-4.089 cw(c-48.374,-4.343) -48.145,-4.232 ccw(c-47.851,-4.09) -47.851,-4.417 -46.631,-4.417 ccw(c-46.631,-4.09) -46.336,-4.232 cw(c-46.108,-4.343) -46.109,-4.089 27.824,-4.089 cw(c27.823,-4.343) 28.052,-4.232 ccw(c28.346,-4.09) 28.346,-4.417 29.566,-4.417 ccw(c29.566,-4.09) 29.861,-4.232 cw(c30.089,-4.343) 30.088,-4.089 94.118,-4.089 cw(c94.117,-4.343) 94.345,-4.232 ccw(c94.64,-4.09) 94.64,-4.417 95.86,-4.417 ccw(c95.86,-4.09) 96.173,-4.186 ccw(c95.86,-4.09) 96.187,-4.09 96.187,-3.889 cw(c96.441,-3.889) 96.441,-3.635 D280.2@119.062,-3.635 ; v1(-88.392,77.089) -88.012,76.709 ccw(c-87.833,76.89) -87.739,76.654 cw(c-87.503,76.073) -87.527,76.7 ccw(c-87.538,76.953) -87.399,76.741 cw(c-85.905,74.475) -85.905,77.189 -84.586,77.189 ccw(c-84.586,79.275) -83.26,77.665 ccw(c-84.955,79.359) -82.558,79.359 -82.558,81.246 -82.558,81.425 ccw(c-82.812,81.425) -82.558,81.439 -82.564,81.542 cw(c-82.31,81.556) -82.563,81.585 ccw(c-83.185,81.661) -82.558,81.661 ccw(c-83.185,81.661) -82.682,82.035 cw(c-82.477,82.185) -82.699,82.061 cw(c-82.477,82.185) -82.731,82.184 -82.731,83.022 ccw(c-84.47,83.022) -83.24,84.252 -84.083,85.095 U301.6@-84.083,85.097
  Bottom Layer w0.254: v1(-183.753,-3.887) -183.76,-3.881 -183.76,-3.509 ccw(c-184.014,-3.51) -183.809,-3.36 cw(c-183.306,-2.986) -183.809,-2.612 ccw(c-184.014,-2.462) -183.76,-2.463 -183.76,9.779 cw(c-180.766,9.779) -183.477,11.048 cw(c-180.766,9.779) -182.88,11.899 cw(c-180.766,9.779) -182.351,12.319 cw(c-180.766,9.779) -180.766,12.773 -164.719,12.773 ccw(c-164.719,14.859) -164.407,12.796 cw(c-164.341,12.347) -164.34,12.801 -151.692,12.801 ccw(c-151.692,14.887) -149.606,14.887 -149.606,70.05 cw(c-147.066,70.05) -147.066,72.59 -90.043,72.59 ccw(c-90.043,74.676) -89.072,72.83 ccw(c-90.043,74.676) -87.957,74.676 -87.957,75.55 ccw(c-88.211,75.549) -88.006,75.699 cw(c-87.503,76.073) -88.062,76.356 ccw(c-88.289,76.471) -88.051,76.559 ccw(c-89.442,76.039) v1(-88.392,77.089)
RAW: CON301.A4B9 CON301.B4A9 CON304.1 CON305.1 CON306.1 D301.5 F301.2 | length 71
  Component Side w0.203: v1(-137.287,89.916) D301.5@-137.287,91.03
  Component Side w0.5: F301.2@-150.542,86.995 -150.542,85.372 ccw(c-150.441,85.372) v3(-150.441,85.271) ; CON306.1@-143.361,96.05 -143.361,90.057 cw(c-143.861,90.058) -143.387,89.899 ccw(c-142.961,89.754) -143.411,89.754 -143.411,85.583 cw(c-144.265,85.583) CON304.1@-143.661,84.979 ccw(c-142.147,84.979) -143.218,83.909 CON305.1@-141.478,82.169
  Bottom Layer w0.254: -147.539,106.085 -147.539,106.843 ccw(c-147.285,106.844) -147.536,106.809 ccw(c-147.285,106.844) -147.518,106.744 ; CON305.1@-141.478,82.169 -139.082,82.169 ccw(c-139.082,82.821) -138.43,82.821 -138.43,86.578 cw(c-135.89,86.578) -138.372,87.119 cw(c-135.89,86.578) -137.686,88.374 ccw(c-138.649,89.337) -137.287,89.337 v1(-137.287,89.916)
  Bottom Layer w0.4: -147.539,106.843 -147.539,107.347 -147.638,107.446 cw(c-147.47,107.613) -147.707,107.613 CON301.A4B9@-147.707,108.92 -147.707,109.261 cw(c-146.516,109.261) -147.607,109.739 -147.557,109.789 -147.557,109.811 -147.213,110.155 cw(c-146.382,109.324) -146.382,110.499 -144.183,110.499 cw(c-144.183,109.201) -143.265,110.119 -142.885,109.739 -142.807,109.739 CON301.B4A9@-142.807,108.92
  Bottom Layer w0.5: -148.51,102.569 ccw(c-150.047,104.551) -147.539,104.551 -147.539,106.3 ; -148.28,102.771 -149.697,101.354 ccw(c-147.901,99.557) -150.441,99.557 v3(-150.441,85.271) -145.632,85.271 cw(c-145.632,82.731) -143.836,84.527 CON305.1@-141.478,82.169
SHIELD: C313.2 CON301.A1B12 CON301.B1A12 CON301.S1 L301.2 | length 35.8
  Component Side w0.254: -145.796,106.299 -145.796,107.061
  Component Side w0.5: CON301.S1@-149.577,109.835 ccw(c-148.834,109.835) -148.834,109.093 -147.193,109.093 cw(c-147.193,107.696) -145.796,107.696 -145.796,107.061 ; -145.796,106.299 -145.796,104.394 ccw(c-144.526,104.394) -144.526,103.124 L301.2@-140.977,103.124 ; C313.2@-140.903,101.378 -140.903,101.403 -140.747,101.559 L301.2@-140.747,103.097
  Bottom Layer w0.254: CON301.S1@-149.577,109.835 ccw(c-148.662,109.835) -148.662,108.92 CON301.A1B12@-148.507,108.92 ; CON301.B1A12@-142.007,108.92 -141.852,108.92 ccw(c-141.852,109.835) CON301.S1@-140.937,109.835
  Bottom Layer w0.5: CON301.S1@-149.577,109.835 CON301.S1@-149.577,114.015 CON301.S1@-140.937,114.015 CON301.S1@-140.937,109.835
SWCLK: CON302.4 U301.37 | length 11.7
  Component Side w0.254: CON302.4@-99.441,90.043 cw(c-98.189,90.043) -98.189,91.295 -96.883,91.295 cw(c-96.883,90.17) -95.758,90.17 -95.758,89.154 ccw(c-93.218,89.154) -93.633,86.648 ccw(c-93.218,89.154) -93.218,86.614 -92.443,86.614 -91.839,87.219 U301.37@-91.826,87.219
SWDIO: CON302.2 U301.34 | length 11.2
  Component Side w0.254: CON302.2@-100.711,90.043 cw(c-99.005,90.043) -100.709,90.133 cw(c-99.005,90.043) -99.095,91.747 cw(c-99.005,90.043) -99.005,91.749 -93.669,91.749 cw(c-93.669,89.787) -92.281,91.174 U301.34@-91.119,90.012
VCC: C307.2 C311.2 C312.2 D302.1 D303.1 Q301.2 R306.1 U304.3 | length 460.1
  Component Side w0.203: -178.963,91.842 -170.764,91.842 ccw(c-170.764,92.71) R306.1@-169.896,92.71
  Component Side w0.5: U304.3@-128.319,88.9 -131.225,88.9 ccw(c-131.225,88.806) C307.2@-131.319,88.806 -135.89,88.806 ccw(c-135.89,86.266) -138.43,86.266 -138.43,80.714 cw(c-140.97,80.714) -140.97,78.174 -141.113,78.174 ccw(c-141.113,75.835) -142.094,77.958 ccw(c-141.113,75.835) -142.341,77.826 cw(c-142.602,78.252) -142.601,77.752 -147.201,77.752 cw(c-147.199,78.252) -147.61,77.967 ccw(c-150.177,76.2) -147.848,78.271 ccw(c-150.177,76.2) -150.177,79.317 -151.413,79.317 cw(c-151.411,79.817) -151.848,79.573 ccw(c-153.352,78.74) -152.744,80.349 ccw(c-153.352,78.74) -153.44,80.458 -154.743,80.458 cw(c-154.743,82.998) -157.283,82.998 Q301.2@-157.283,86.045 -176.423,86.045 cw(c-176.423,88.585) -178.963,88.585 -178.963,91.842 -178.963,94.182 ccw(c-179.327,94.182) -179.327,94.546 -181.425,94.546 ccw(c-181.425,92.583) -181.969,94.469 ccw(c-181.425,92.583) -183.388,92.583 -183.388,31.369 ccw(c-180.848,31.369) -180.848,28.829 -108.736,28.829 ccw(c-108.736,31.369) -106.939,29.573 -104.986,31.526 cw(c-103.19,29.73) -103.19,32.27 123.523,32.27 123.698,32.243 cw(c123.725,32.243) 123.725,32.27 125.837,32.27
VCC3V3: C301.2 C302.2 C303.2 C304.2 C305.2 C308.2 CON302.1 CON303.2 R303.1 U301.1 U301.9 U301.24 U301.36 U301.48 U304.2 | length 91.8
  Component Side w0.203: v1(-95.131,89.154) cw(c-94.652,89.633) -95.264,89.343 cw(c-94.652,89.633) -95.329,89.633 -95.329,90.233 cw(c-94.757,90.233) -95.329,90.242 cw(c-94.757,90.233) C305.2@-94.757,90.805 ccw(c-93.257,90.805) -93.257,89.305 U301.36@-91.826,89.305
  Component Side w0.254: CON302.1@-100.711,88.773 v1(-100.711,88.026) ccw(c-99.314,88.026) R303.1@-99.314,86.629 ; U301.48@-87.937,83.33 ccw(c-86.839,82.231) -88.392,82.231 C301.2@-88.392,80.533 C303.2@-86.106,80.533 ccw(c-86.721,81.148) -85.851,81.148 U301.1@-85.851,83.33 ; U301.24@-85.851,93.194 -84.981,94.063 cw(c-83.956,93.038) -84.239,94.46 cw(c-83.956,93.038) -83.956,94.488 C308.2@-83.073,94.488 -83.073,94.463 -83.723,93.813 v1(-83.723,93.788) ; U301.9@-83.023,86.158 -82.571,85.707 ccw(c-80.775,87.503) C302.2@-80.775,84.963 ; C302.2@-80.899,84.978 -80.01,84.978 v1(-80.01,84.963)
  Component Side w0.5: U304.2@-125.919,89.85 -108.689,89.85 cw(c-108.689,87.907) CON303.2@-107.315,89.281 ; CON303.2@-107.315,88.773 cw(c-107.249,88.773) CON303.2@-107.249,88.839
  Bottom Layer w0.5: CON303.2@-107.315,89.281 ccw(c-105.791,89.281) -105.791,87.757 -101.36,87.757 ccw(c-101.36,88.675) -101.288,87.76 ccw(c-101.36,88.675) v1(-100.711,88.026) -100.073,88.664 cw(c-98.277,86.868) -98.277,89.408 -95.385,89.408 cw(c-95.385,89.154) v1(-95.131,89.154) ; v1@-95.131,89.108 -95.131,87.315 ccw(c-88.334,87.315) -88.334,80.518 v1(-87.122,80.518) -87.122,80.842 cw(c-84.582,80.842) -84.582,83.382 -82.992,83.382 cw(c-82.993,82.882) -82.687,83.278 cw(c-82.993,82.882) -82.614,83.207 ccw(c-82.042,83.693) -82.573,83.164 ccw(c-82.042,83.693) -82.571,83.162 ccw(c-82.042,83.693) -82.042,82.943 ccw(c-82.042,83.693) -81.513,83.162 ccw(c-82.042,83.693) -81.511,83.164 ccw(c-82.042,83.693) -81.304,83.558 cw(c-80.813,83.465) -81.168,83.817 -80.08,84.905 cw(c-79.727,84.551) v1(-80.01,84.963) -80.01,90.075 ccw(c-83.723,90.075) v1(-83.723,93.788)
pads on no net: CON301. CON301.A8 CON301.B8 CON302.0 CON302.6 D301.1 D301.6 D302. D303. D303.2 S201. S202. S202_1. S203. S203_1. S204. S204_1. S205. S205_1. S206. S207. S208. S209. S209_1. S210. S210_1. S211. S211_1. S212. S212_1. S213. S214. S215. S216. S217. S218. S219. S220. S221. S222. S223. S224. S225. S226. S227. S228. S229. S230. S231. S232. S233. S234. S235. S236. S237. S238. S239. S240. S241. S242. S243. S244. S245. S246. S247. S248. S249. S250. S251. S252. S253. S254. S255. S256. S257. S258. S259. S260. S261. S262. S263. S264. S264_1. S265. S265_1. S266. S267. S268. S269. S270. S271. S272. S273. S274. S275. S276. S277. S277_1. S278. S279. S280. S281. S282. S283. S283_1. S283_2. S284. S285. S286. S287. S288. S289. S290. S293. S294. S294_2. S295. S295_2. S296. S296_1. STAB1. STAB2.@-122.713,35.686 STAB2.@-130.968,47.624 STAB2.@-137.953,35.686 STAB2.@-137.953,59.562 STAB3. STAB4. STAB5. STAB6. STAB8. STAB9. STAB10. STAB11.

## Polygon pours and split planes (outlines as drawn)
GND on Bottom Layer "Bottom Layer-GND" (hatched 45Degree grid 1.397 track 0.203, remove dead copper, pour order 0): 238 vertices, not listed, extent -202.832,-11.336 140.882,115.182
GND on Component Side "Component Side-GND" (hatched 45Degree grid 1.397 track 0.203, remove dead copper, pour order 1): 238 vertices, not listed, extent -202.832,-11.336 140.882,115.182

## Other copper
Component Side:
  pour cut-out: -150.795,106.598 ccw(c-150.795,107.056) -150.337,107.056 -150.337,114.552 cw(c-149.727,114.552) -149.727,115.162 -140.787,115.162 cw(c-140.787,114.568) -140.193,114.568 -140.193,107.072 ccw(c-139.724,107.072) -139.724,106.603 -139.729,106.598
Bottom Layer:
  pour cut-out: -150.795,106.598 ccw(c-150.795,107.056) -150.337,107.056 -150.337,114.552 cw(c-149.727,114.552) -149.727,115.162 -140.787,115.162 cw(c-140.787,114.568) -140.193,114.568 -140.193,107.072 ccw(c-139.724,107.072) -139.724,106.603 -139.729,106.598

## Silkscreen, mask and mechanical layers (free items; w line width, h text height)
Top Overlay:
  drawing of 3 lines, arcs and shapes, not listed
  text "Break away" at -155.288,106.807 h0.9
  text "RESET" at -107.696,91.186 h0.75
  text "GND" at -149.479,80.518 h0.75 r270
  text "DP" at -146.939,80.518 h0.75 r270
  text "DN" at -144.399,80.518 h0.75 r270
  text "VCC" at -141.859,80.391 h0.75 r270
  text "Waffling80" at -187.858,33.162 h3.3
  text "MX-S Rev B2" at -185.293,31.115 h2
  text "Waffling: adj. or verb - indecisive; unable to make up one's mind; playing the safe middle ground due to one's own lack of conviction or sense of morality." at -101.092,29.21 h2.9
Bottom Overlay:
  circle w0.4: c128.434,-4.008 r0.75
  circle w0.4: c104.622,-4.008 r0.75
  circle w0.4: c80.81,-4.008 r0.75
  circle w0.4: c-0.153,-4.008 r0.75
  circle w0.4: c-128.74,-4.008 r0.75
  circle w0.4: c-104.928,-4.008 r0.75
  circle w0.4: c-81.115,-4.008 r0.75
  circle w0.4: c96.869,10.668 r0.75
  circle w0.4: c77.819,10.668 r0.75
  lines w0.2: -97.753,8.438 -71.591,8.438 ; -91.866,11.176 -89.498,11.176 ; -80.028,11.176 -77.66,11.176 ; 72.994,7.93 100.994,7.93 ; 80.346,10.668 82.714,10.668 ; 92.184,10.668 94.552,10.668 ; -92.573,11.176 -91.866,11.883 -91.866,10.469 -92.573,11.176 ; -77.66,10.469 -76.953,11.176 -77.66,11.883 -77.66,10.469 ; 79.639,10.668 80.346,9.961 80.346,11.375 79.639,10.668 ; 94.552,9.961 94.552,11.375 95.259,10.668 94.552,9.961
  text "< F12" at -113.756,96.831 h1.52 r90
  text "< F13" at -109.071,96.831 h1.52 r90
  text "< F12" at -94.706,96.831 h1.52 r90
  text "< F13" at -90.021,96.831 h1.52 r90
  text "< F12" at -75.656,96.831 h1.52 r90
  text "< F13" at -70.971,96.831 h1.52 r90
  text "< F13" at -51.861,96.832 h1.52 r90
  text "< F12" at -47.143,96.832 h1.52 r90
  text "< F12" at 38.582,96.831 h1.52 r90
  text "< F13" at 52.914,96.832 h1.52 r90
  text "< F12" at 57.632,96.832 h1.52 r90
  text "< F13" at 71.964,96.832 h1.52 r90
  text "< F12" at 76.682,96.832 h1.52 r90
  text "< F13" at 91.014,96.832 h1.52 r90
  text "< F12" at 95.732,96.832 h1.52 r90
  text "< F13" at 110.064,96.832 h1.52 r90
  text "< F13" at 29.101,96.741 h1.52 r90
  text "< 7U" at -57.477,10.851 h1.52 r270
  text "< 6.25U" at -38.681,10.851 h1.52 r270
  text "< 2.75U" at -33.728,10.851 h1.52 r270
  text "< 3U" at -19.504,10.851 h1.52 r270
  text "< 2.75U" at -9.979,10.851 h1.52 r270
  text "< 2.25U" at 37.646,10.851 h1.52 r270
  text "< 7U" at 56.823,10.851 h1.52 r270
  text "< 3U" at 18.596,10.724 h1.52 r270
  text "< 6.25U" at 61.522,10.724 h1.52 r270
  text "x" at -95.194,10.489 h1.75
  text "x" at -75.636,10.489 h1.75
  text "X shows 6.25U space with 1.25U mods" at -72.099,8.942 h0.75
  text "Circles shows Tsangan layout, 7U space" at 100.748,8.434 h0.75
  text "< 3U" at -60.579,6.748 h1.52
  text "< 2.25U" at 62.488,3.5 h1.52 r90
  text "< 3U" at 57.794,3.373 h1.52 r90
  text "x" at -131.452,-4.624 h1.75
  text "x" at -107.639,-4.624 h1.75
  text "x" at -83.827,-4.624 h1.75
  text "x" at -60.015,-4.624 h1.75
  text "x" at 11.423,-4.624 h1.75
  text "x" at 82.861,-4.624 h1.75
  text "x" at 106.673,-4.624 h1.75
  text "x" at 130.485,-4.624 h1.75
outline:
  drawing of 168 lines, arcs and shapes, not listed
OpenTKL:
  drawing of 5112 lines, arcs and shapes, not listed
HiTek plate:
  drawing of 5676 lines, arcs and shapes, not listed
old outline:
  lines w0.1: -198.826,-8.27 -190.502,-8.27 ccw(c-190.502,-5.302) -188.403,-7.401 -187.519,-6.516 cw(c-185.737,-8.27) -183.851,-6.63 ; -198.763,-8.271 cw(c-198.763,-4.271) -202.763,-4.271 -202.763,104.262 cw(c-198.763,104.262) -198.763,108.262 -190.535,108.262 cw(c-190.535,105.196) -188.367,107.364 -187.618,106.615 ; -187.624,106.622 ccw(c-185.737,108.262) -183.956,106.508 -183.072,107.393 cw(c-180.973,105.294) -180.973,108.262 -171.485,108.262 cw(c-171.485,105.196) -169.317,107.364 -168.568,106.615 ; -183.857,-6.623 -183.108,-7.372 ccw(c-180.94,-5.204) -180.94,-8.27 -171.452,-8.27 ccw(c-171.452,-5.302) -169.353,-7.401 -168.469,-6.516 cw(c-166.688,-8.27) -164.801,-6.63 ; -168.574,106.622 ccw(c-166.687,108.262) -164.906,106.508 -164.022,107.393 cw(c-161.923,105.294) -161.923,108.262 -152.543,108.262 cw(c-152.543,107.056) -151.337,107.056 ccw(c-150.837,107.056) -150.337,107.056 -150.337,114.552 cw(c-149.727,114.552) -149.727,115.162 -140.787,115.162 cw(c-140.787,114.568) -140.193,114.568 -140.193,107.056 ccw(c-139.693,107.056) -139.193,107.056 cw(c-137.987,107.056) -137.987,108.262 -126.226,108.262 cw(c-126.226,105.196) -124.058,107.364 -123.309,106.615 ; -164.807,-6.623 -164.058,-7.372 ccw(c-161.89,-5.204) -161.89,-8.27 -75.023,-8.27 ccw(c-75.023,-5.302) -72.923,-7.401 -72.026,-6.511 cw(c-70.257,-8.253) -70.257,-5.77 -69.057,-5.77 cw(c-69.057,-8.27) -67.17,-6.63 ; -123.315,106.622 ccw(c-121.428,108.262) -119.647,106.508 -118.762,107.393 cw(c-116.663,105.294) -116.663,108.262 ; -116.758,108.262 -66.676,108.262 ; -67.176,-6.623 -66.427,-7.372 ccw(c-64.259,-5.204) -64.259,-8.27 65.467,-8.27 ccw(c65.467,-5.302) 67.567,-7.401 68.451,-6.516 cw(c70.232,-8.27) 72.119,-6.63 ; -66.711,108.262 cw(c-66.711,105.196) -64.543,107.364 -63.794,106.615 ; -63.8,106.622 ccw(c-61.913,108.262) -60.132,106.508 -59.248,107.393 cw(c-57.149,105.294) -57.149,108.262 ; -57.151,108.262 -45.104,108.262 ; -45.28,108.262 cw(c-45.28,105.196) -43.112,107.364 -42.363,106.615 ; -42.369,106.622 ccw(c-40.482,108.262) -38.701,106.508 -37.817,107.393 cw(c-35.718,105.294) -35.718,108.262 19.049,108.262 ; 19,108.262 cw(c19,105.196) 21.168,107.364 21.917,106.615 ; 21.911,106.622 ccw(c23.798,108.262) 25.579,106.508 26.463,107.393 cw(c28.562,105.294) 28.562,108.262 ; 28.574,108.262 35.642,108.262 ; 35.683,108.262 cw(c35.683,105.196) 37.851,107.364 38.6,106.615 ; 38.594,106.622 ccw(c40.481,108.262) 42.262,106.508 43.146,107.393 cw(c45.246,105.294) 45.246,108.262 100.013,108.262 ; 72.113,-6.623 72.862,-7.372 ccw(c75.03,-5.204) 75.03,-8.27 84.532,-8.27 ccw(c84.532,-5.302) 86.631,-7.401 87.516,-6.516 ; 87.516,-6.516 cw(c89.297,-8.27) 89.297,-5.77 ; 89.273,-5.77 94.127,-5.77 ; 94.127,-5.771 cw(c94.042,-8.27) 95.929,-6.63 ; 95.923,-6.623 96.672,-7.372 ccw(c98.84,-5.204) 98.84,-8.27 113.088,-8.27 ccw(c113.088,-5.302) 115.187,-7.401 116.071,-6.516 cw(c117.852,-8.27) 119.739,-6.63 ; 99.977,108.262 cw(c99.977,105.196) 102.145,107.364 102.894,106.615 ; 102.888,106.622 ccw(c104.775,108.262) 106.556,106.508 107.44,107.393 cw(c109.539,105.294) 109.539,108.262 116.646,108.262 cw(c116.646,105.196) 118.814,107.364 119.563,106.615 ; 119.528,106.655 ccw(c121.443,108.262) 121.45,105.762 123.824,105.762 ccw(c123.824,108.262) 125.572,106.474 ; 119.733,-6.623 120.482,-7.372 ccw(c122.65,-5.204) 122.65,-8.27 136.85,-8.27 ccw(c136.85,-4.27) 140.85,-4.27 140.849,104.262 ccw(c136.85,104.262) 136.85,108.262 133.349,108.262 128.589,108.262 ccw(c128.589,105.294) 126.49,107.393 125.606,106.508
Mechanical 16:
  circle w0.013: c57.213,8.255 r1.994
  circle w0.013: c61.976,8.255 r1.994
  circle w0.013: c61.976,-6.985 r1.524
  circle w0.013: c57.213,-6.985 r1.524
  circle w0.013: c-38.1,-6.985 r1.524
  circle w0.013: c-38.1,8.255 r1.994
  circle w0.013: c5.112,0 r0.851
  circle w0.013: c6.858,0 r0.851
  circle w0.013: c3.842,2.54 r0.749
  circle w0.013: c15.748,2.54 r0.749
  circle w0.013: c17.018,0 r0.851
  circle w0.013: c11.938,0 r1.994
  circle w0.013: c9.398,5.08 r0.749
  circle w0.013: c-2.508,5.08 r0.749
  circle w0.013: c0.032,0 r1.994
  circle w0.013: c-5.048,0 r0.851
  circle w0.013: c-57.15,8.255 r1.994
  circle w0.013: c-57.15,-6.985 r1.524

## Text inside footprints (layer, text, board x,y; h text height)
CON301: Mechanical 16 "connector edge" at -148.207,116.17 h1 r180